# Altium PCB DAC_Sources.PcbDoc (part 7 of 8)
Units mm, origin at the board's own origin, x right, y up, seen from the top; angles counter-clockwise.
Board outline 277 x 137 mm, 8 copper layers (Top Layer, GND_02, SIG_03, PWR_04, PWR_05, SIG_06, GND_07, Bottom Layer), stack 1.669 mm thick; 635 components, 416 nets, 2247 pads, 2216 vias.
Unrouted connection lines stored in the file: 515.
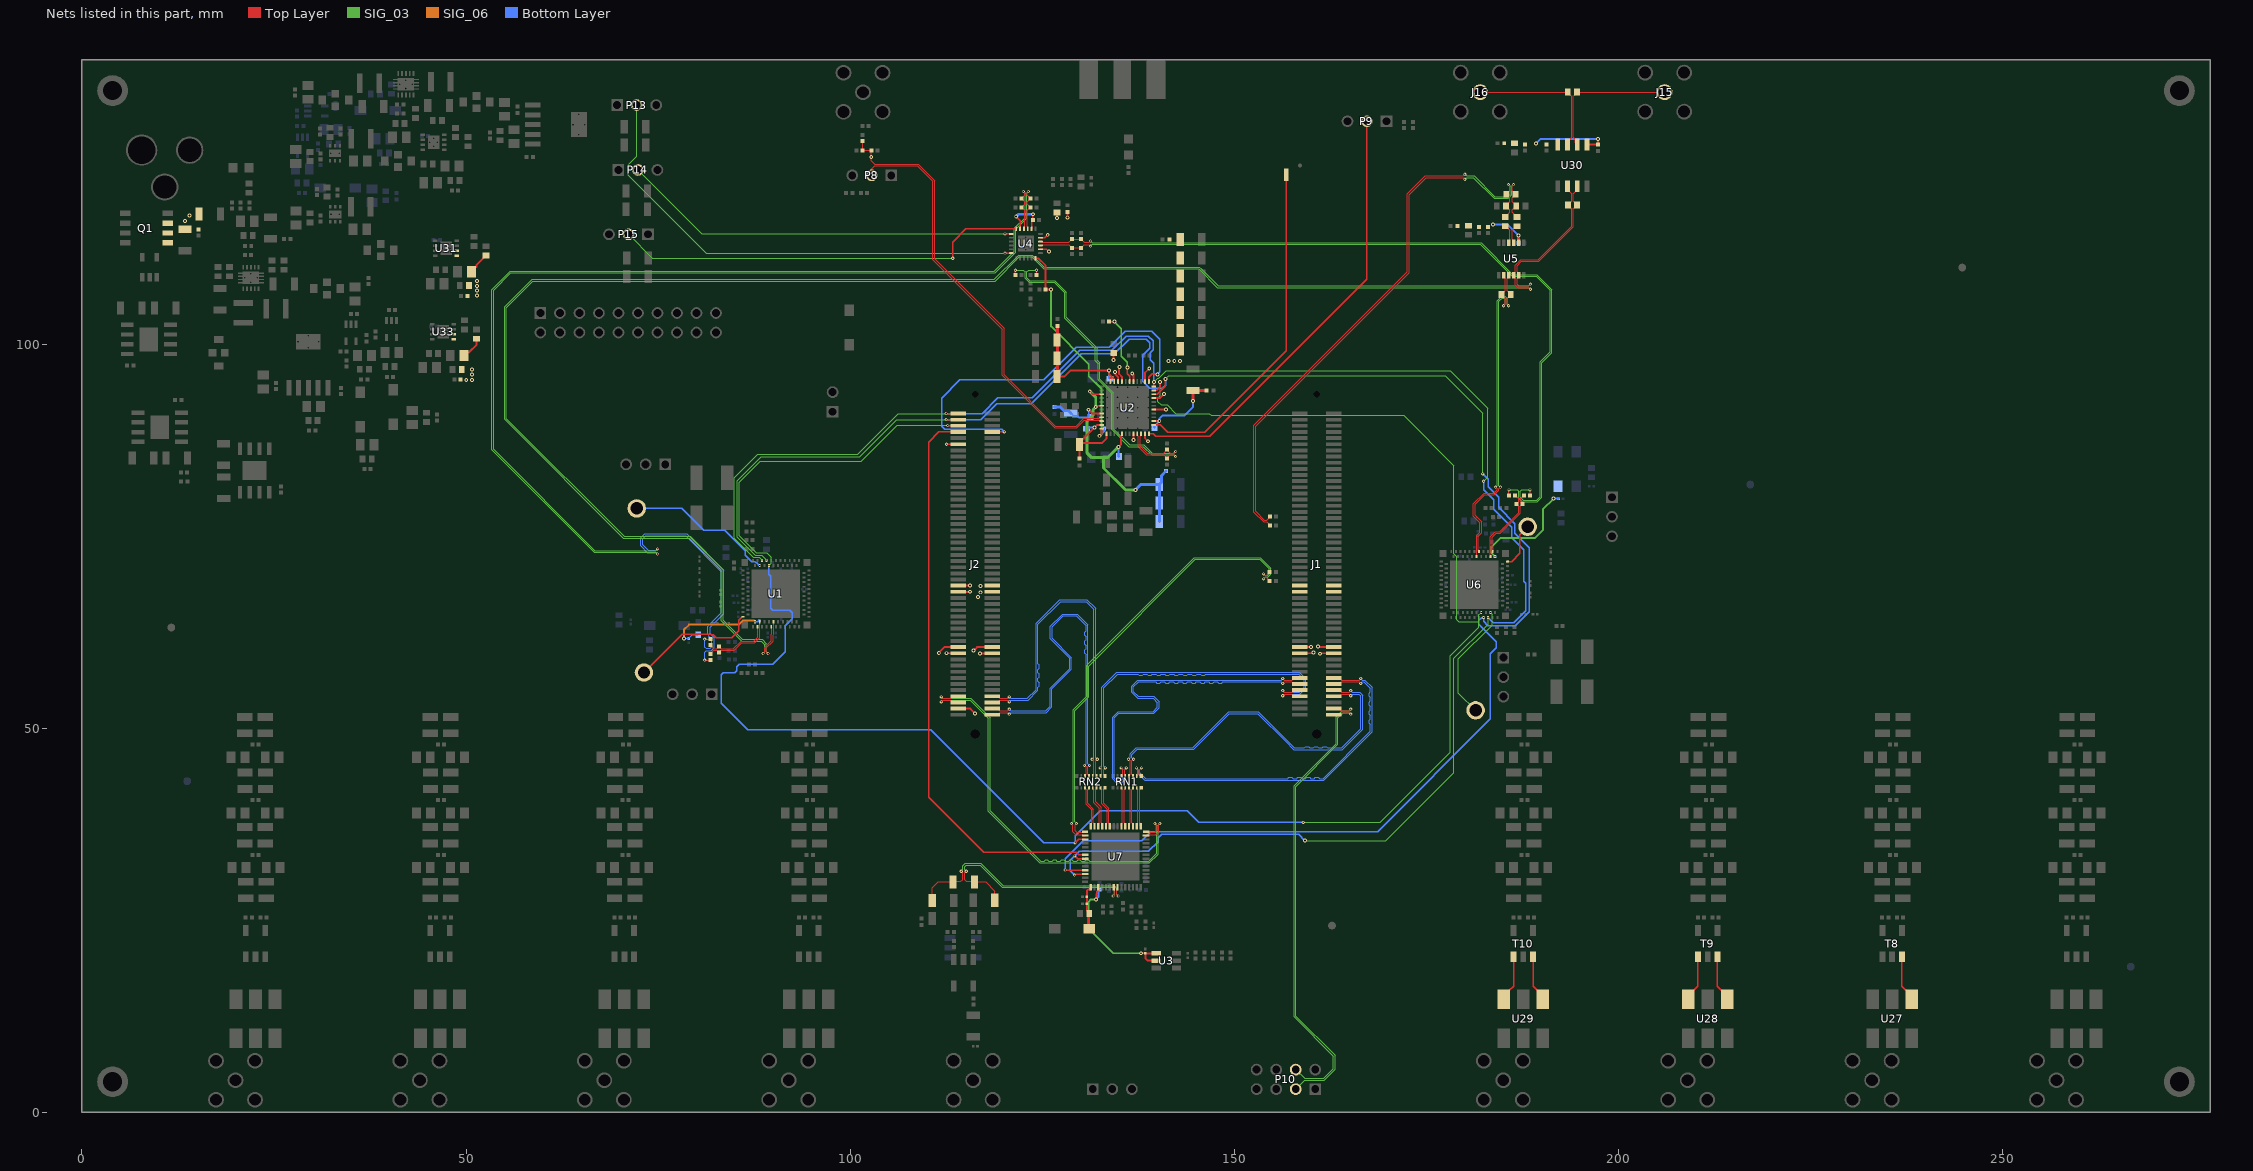
[diagram p13: the nets of this part, all layers, seen from the top]

## Via types
v1: diameter 0.406, hole 0.203, Top Layer to Bottom Layer, tented both sides, 1493 vias
v2: diameter 0.508, hole 0.254, Top Layer to Bottom Layer, tented both sides, 563 vias
v3: diameter 0.254, hole 0.152, Top Layer to Bottom Layer, tented both sides, 60 vias
v4: diameter 0.6, hole 0.3, Top Layer to Bottom Layer, tented top, 58 vias
v5: diameter 0.61, hole 0.305, Top Layer to Bottom Layer, tented top, 25 vias
v6: diameter 0.61, hole 0.305, Top Layer to Bottom Layer, tented both sides, 15 vias
v7: diameter 2, hole 1, Top Layer to Bottom Layer, tented both sides, 2 vias

## Nets (pads, with @x,y where several pads share a name; then routed paths per layer and width w, separated by ;. In a path a pad name is that pad's centre, name@x,y a point inside that pad or via, vN(x,y) a via of type N, cw(c..) or ccw(c..) an arc to the next point about the centre after c; other vN are vias at no path point) (continued)
NetT8_5: T8.5 U27.4 | length 6.1
  Top Layer w0.191: T8.5@236.876,20.256 236.876,16.424 237.393,15.907 237.416,15.907 238.146,15.176 U27.4@238.146,14.732
NetT9_3: T9.3 U28.6 | length 6.1
  Top Layer w0.191: U28.6@209.066,14.732 209.066,15.176 209.796,15.907 209.807,15.907 210.336,16.436 T9.3@210.336,20.256
NetT9_5: T9.5 U28.4 | length 5.6
  Top Layer w0.191: T9.5@212.876,20.256 212.876,16.424 213.393,15.907 213.416,15.907 U28.4@214.146,15.176
NetT10_3: T10.3 U29.6 | length 6.1
  Top Layer w0.191: U29.6@185.066,14.732 185.066,15.176 185.796,15.907 185.807,15.907 186.336,16.436 T10.3@186.336,20.256
NetT10_5: T10.5 U29.4 | length 6.1
  Top Layer w0.191: T10.5@188.876,20.256 188.876,16.424 189.393,15.907 189.416,15.907 190.146,15.176 U29.4@190.146,14.732
NetTP5_1: TP5.1 U1.B29 | length 19.3
  Bottom Layer w0.191: TP5.1@72.22,78.62 78.1,78.62 80.96,75.76 83.69,75.76 86.35,73.1 86.35,72.55 87.215,71.685 87.605,71.685 87.748,71.543 ; 87.812,71.515 88.16,71.168 v3(88.23,71.168)
NetTP6_1: TP6.1 U1.A44 | length 17.1
  Top Layer w0.191: TP6.1@73.16,57.26 78.162,62.262 81.947,62.262 82.064,62.145 82.185,62.145 82.551,61.779 84.58,61.779 85.501,62.7 85.501,64.076 85.943,64.518 U1.A44@86.03,64.518
NetTP7_1: TP7.1 U6.B29 | length 15.5
  SIG_03 w0.152: TP7.1@181.4,52.34 179.16,54.58 179.16,59.02 183.54,63.4 183.54,64.84 v3(183.33,65.05)
NetTP8_1: TP8.1 U6.A44 | length 5.9
  Top Layer w0.191: U6.A44@185.53,71.7 186.08,71.7 187.13,72.75 187.13,75.19 TP8.1@188.17,76.23
OSTR_DAC1_BUF_IN_N: C321.1 R120.1 U1.B2 | length 9.6
  Top Layer w0.127: C321.1@81.79,59.67 82.246,60.126 82.654,60.126 R120.1@82.94,59.84 83.226,60.126 84.899,60.126 85.886,61.113 87.567,61.113 88.23,61.776 U1.B2@88.23,63.868
OSTR_DAC1_BUF_IN_P: C320.1 R120.2 U1.A2 | length 8.6
  Top Layer w0.127: C320.1@81.79,60.81 82.246,60.354 82.654,60.354 R120.2@82.94,60.64 83.226,60.354 84.804,60.354 85.791,61.341 87.472,61.341 88.001,61.871 88.001,63.007 87.991,63.017 87.991,63.157 U1.A2@87.93,63.218
OSTR_DAC1_BUF_N: C321.2 R86.1 R90.2 U4.16 | length 163.2
  Top Layer w0.127: v1(81.08,58.87) C321.2@81.79,58.87 ; v1(122.54,119.86) 122.718,119.682 122.718,119.378 R86.1@122.3,118.96 122.718,118.542 122.718,118.228 R90.2@122.3,117.81 122.718,117.392 122.718,115.268 122.62,115.17 U4.16@122.62,114.99
  SIG_03 w0.102: v1(74.94,72.686) 74.724,72.901 66.685,72.901 53.351,86.235 53.351,107.105 55.747,109.5 118.77,109.5 121.35,112.08 121.35,115.05 122.756,116.456 122.756,119.644 v1(122.54,119.86)
  Bottom Layer w0.127: v1(74.94,72.686) 74.762,72.863 73.604,72.863 72.72,73.747 72.72,74.81 73.255,75.345 78.706,75.345 78.885,75.166 83.378,70.673 83.556,70.495 83.556,66.355 83.545,66.344 83.545,65.976 83.556,65.965 83.556,64.935 81.776,63.154 81.776,62.286 82.214,61.847 82.304,61.757 82.304,60.475 82.214,60.386 81.916,60.088 81.251,60.088 81.08,59.917 v1(81.08,58.87)
OSTR_DAC1_BUF_P: C320.2 R87.1 R89.2 U4.15 | length 160.8
  Top Layer w0.127: v1(81.08,61.61) C320.2@81.79,61.61 ; U4.15@123.12,114.99 123.12,115.17 123.022,115.268 123.022,117.392 R89.2@123.44,117.81 123.022,118.228 123.022,118.542 R87.1@123.44,118.96 123.022,119.378 123.022,119.682 v1(123.2,119.86)
  SIG_03 w0.102: v1(74.94,73.346) 74.724,73.13 66.78,73.13 53.58,86.33 53.58,107.01 55.841,109.271 118.865,109.271 121.579,111.985 121.579,114.955 122.984,116.361 122.984,119.644 v1(123.2,119.86)
  Bottom Layer w0.127: v1(74.94,73.346) 74.762,73.168 73.73,73.168 73.025,73.873 73.025,74.684 73.381,75.04 78.58,75.04 83.251,70.369 83.251,66.481 83.241,66.47 83.241,65.85 83.251,65.839 83.251,65.061 81.471,63.281 81.471,62.159 81.56,62.07 81.999,61.631 81.999,60.601 81.79,60.392 81.251,60.392 81.08,60.563 v1(81.08,61.61)
OSTR_DAC2_BUF_IN_N: C317.1 R83.1 U6.B2 | length 10.2
  Top Layer w0.127: U6.B2@183.33,72.35 183.33,74.954 183.974,75.599 184.525,75.599 186.996,78.069 186.996,78.894 R83.1@186.71,79.18 186.996,79.466 186.996,79.873 186.612,80.256 186.604,80.256 C317.1@186.54,80.32
OSTR_DAC2_BUF_IN_P: C316.1 R83.2 U6.A2 | length 9.6
  Top Layer w0.127: U6.A2@183.63,73 183.569,73.061 183.569,73.201 183.559,73.211 183.559,74.86 184.069,75.37 184.62,75.37 187.224,77.974 187.224,78.894 R83.2@187.51,79.18 187.224,79.466 187.224,79.873 187.608,80.256 187.617,80.256 C316.1@187.68,80.32
OSTR_DAC2_BUF_N: C317.2 R116.1 R119.2 U4.10 | length 103.6
  Top Layer w0.127: U4.10@124.77,113.34 124.95,113.34 125.048,113.242 128.467,113.242 R116.1@128.88,113.655 R119.2@130.04,113.655 130.453,113.242 131.122,113.242 v1(131.3,113.42) ; C317.2@185.74,80.32 v1(185.74,81.03)
  SIG_03 w0.102: v1(131.3,113.42) 131.516,113.204 182.109,113.204 186.263,109.05 189.365,109.05 191.319,107.096 191.319,98.889 190.009,97.579 190.009,80.045 189.435,79.471 187.475,79.471 186.996,79.951 186.996,80.87 186.836,81.03 v1(185.74,81.03)
OSTR_DAC2_BUF_P: C316.2 R117.1 R118.2 U4.9 | length 102.5
  Top Layer w0.127: U4.9@124.77,112.84 124.95,112.84 125.048,112.938 128.467,112.938 R117.1@128.88,112.525 R118.2@130.04,112.525 130.453,112.938 131.122,112.938 v1(131.3,112.76) ; C316.2@188.48,80.32 v1(188.48,81.03)
  SIG_03 w0.102: v1(131.3,112.76) 131.516,112.976 182.014,112.976 186.169,108.821 189.27,108.821 191.09,107.001 191.09,98.983 189.78,97.673 189.78,80.14 189.34,79.7 187.57,79.7 187.224,80.046 187.224,80.87 187.384,81.03 v1(188.48,81.03)
OSTR_DAC_N: C276.1 R113.2 U2.10 | length 45.6
  Top Layer w0.127: C276.1@124.24,109 124.25,109.01 v1(124.25,109.62) ; U2.10@137.87,88.33 137.87,88.15 137.814,88.093 137.809,88.093 137.734,88.019 137.734,86.726 138.651,85.809 140.779,85.809 R113.2@141.23,86.26 141.293,86.197 141.293,86.156 141.64,85.809 142.134,85.809 v1(142.35,86.025)
  SIG_03 w0.102: v1(124.25,109.62) 123.224,109.62 122.994,109.39 122.994,108.639 123.385,108.249 126.645,108.249 128.129,106.765 128.129,103.48 132.127,99.482 132.127,97.926 132.421,97.632 132.488,97.565 132.488,95.445 134.239,93.695 134.239,89.016 136.365,86.89 138.23,86.89 138.297,86.823 139.311,85.809 142.134,85.809 v1(142.35,86.025)
OSTR_DAC_P: C274.1 R112.2 U2.9 | length 46.3
  Top Layer w0.127: C274.1@121.51,109.01 v1(121.51,109.62) ; U2.9@137.37,88.33 137.37,88.15 137.426,88.093 137.431,88.093 137.506,88.019 137.506,86.631 138.556,85.581 140.779,85.581 R112.2@141.23,85.13 141.293,85.193 141.293,85.234 141.64,85.581 142.134,85.581 v1(142.35,85.365)
  SIG_03 w0.102: v1(121.51,109.62) 122.536,109.62 122.766,109.39 122.766,108.544 123.29,108.02 126.55,108.02 127.9,106.67 127.9,103.385 131.898,99.387 131.898,97.832 132.26,97.47 132.26,95.35 132.327,95.283 134.01,93.6 134.01,88.922 136.27,86.661 138.135,86.661 139.216,85.581 141.674,85.581 142.134,85.581 v1(142.35,85.365)
OUT_SYNC_N: J16.1 R104.1 U30.7 | length 18.7
  Top Layer w0.127: J16.1@182,132.797 R104.1@193.4,132.797 193.4,132.722 193.712,132.41 193.787,132.41 193.886,132.311 193.886,126.946 193.365,126.425 U30.7@193.365,125.955
OUT_SYNC_P: J15.1 R104.2 U30.6 | length 18.7
  Top Layer w0.127: U30.6@194.635,125.955 194.394,126.196 194.394,126.666 194.354,126.666 194.114,126.906 194.114,132.311 194.213,132.41 194.288,132.41 194.6,132.722 R104.2@194.6,132.797 J15.1@206,132.797
PCLK_N: J2.96 U7.55 | length 54.2
  Top Layer w0.127: v1(111.853,53.437) 112.069,53.653 113.057,53.653 113.139,53.572 113.139,53.553 113.325,53.367 J2.96@114.075,53.367 ; U7.55@138.5,36.036 138.83,36.036 138.928,36.134 139.755,36.134 140.135,36.514 140.135,37.422 v1(140.313,37.6)
  SIG_03 w0.102: v1(111.853,53.437) 112.069,53.653 115.614,53.653 117.971,51.295 117.971,39.205 124.695,32.481 138.955,32.481 140.097,33.623 140.097,37.384 v1(140.313,37.6)
PCLK_P: J2.94 U7.56 | length 54.2
  Top Layer w0.127: v1(111.853,54.097) 112.069,53.881 113.061,53.881 113.139,53.958 113.139,53.98 113.325,54.167 J2.94@114.075,54.167 ; U7.56@138.5,36.536 138.83,36.536 138.927,36.438 139.628,36.438 139.83,36.64 139.83,37.422 v1(139.652,37.6)
  SIG_03 w0.102: v1(111.853,54.097) 112.069,53.881 115.709,53.881 118.2,51.39 118.2,39.3 124.79,32.71 125.25,32.71 125.43,32.89 125.67,32.89 125.85,32.71 126.31,32.71 126.49,32.89 126.73,32.89 126.91,32.71 127.37,32.71 127.55,32.89 127.79,32.89 127.97,32.71 128.43,32.71 128.61,32.89 128.85,32.89 129.03,32.71 129.49,32.71 129.67,32.89 129.91,32.89 130.09,32.71 130.55,32.71 130.73,32.89 130.97,32.89 131.15,32.71 138.86,32.71 139.868,33.718 139.868,37.384 v1(139.652,37.6)
PD0_N: J1.89 RN1.1 | length 46.9
  Top Layer w0.127: RN1.1@137.888,43.77 137.708,43.95 137.708,44.624 v1(137.924,44.84) ; J1.89@162.925,55.767 163.675,55.767 163.862,55.953 163.862,55.982 163.936,56.056 166.234,56.056 v1(166.45,55.84)
  Bottom Layer w0.127: v1(137.924,44.84) 137.708,44.624 137.708,44.192 138.44,43.46 156.944,43.46 157.105,43.621 157.494,43.621 157.655,43.46 158.094,43.46 158.255,43.621 158.644,43.621 158.805,43.46 159.244,43.46 159.405,43.621 159.794,43.621 159.955,43.46 160.394,43.46 160.555,43.621 160.944,43.621 161.105,43.46 161.544,43.46 167.7,49.616 167.7,50.482 167.54,50.642 167.54,51.022 167.7,51.182 167.7,51.668 167.54,51.828 167.54,52.208 167.7,52.368 167.7,52.854 167.54,53.014 167.54,53.394 167.7,53.554 167.7,54.04 167.54,54.2 167.54,54.58 167.7,54.74 167.7,55.226 166.87,56.056 166.666,56.056 v1(166.45,55.84)
PD0_P: J1.87 RN1.2 | length 47
  Top Layer w0.127: v1(137.264,44.84) 137.48,44.624 137.48,43.95 RN1.2@137.3,43.77 ; J1.87@162.925,56.567 163.675,56.567 163.862,56.38 163.862,56.359 163.936,56.285 166.234,56.285 v1(166.45,56.5)
  Bottom Layer w0.127: v1(137.264,44.84) 137.48,44.624 137.48,44.097 138.345,43.231 161.638,43.231 167.929,49.522 167.929,55.321 166.965,56.285 166.666,56.285 v1(166.45,56.5)
PD0B_N: RN1.16 U7.1 | length 5.2
  Top Layer w0.127: U7.1@137.8,37.236 137.737,37.299 137.737,37.653 137.68,37.71 137.68,42.024 137.888,42.233 RN1.16@137.888,42.27
PD0B_P: RN1.15 U7.2 | length 5.1
  Top Layer w0.127: U7.2@137.3,37.236 137.3,37.566 137.436,37.702 137.436,42.009 137.3,42.145 RN1.15@137.3,42.27
PD1_N: J1.91 RN1.3 | length 47
  Top Layer w0.127: RN1.3@136.8,43.77 136.8,43.895 136.664,44.031 136.664,45.754 v1(136.88,45.97) ; J1.91@162.925,54.967 163.675,54.967 163.862,54.781 163.862,54.756 163.936,54.681 164.931,54.681 v1(165.147,54.897)
  Bottom Layer w0.127: v1(136.88,45.97) 136.664,46.186 136.664,46.58 137.336,47.251 144.701,47.251 144.835,47.385 149.361,51.911 153.045,51.911 156.601,48.355 157.727,47.23 164.043,47.23 164.11,47.297 166.689,49.875 166.689,54.307 166.315,54.681 165.363,54.681 v1(165.147,54.897)
PD1_P: J1.93 RN1.4 | length 47
  Top Layer w0.127: v1(136.22,45.97) 136.436,45.754 136.436,44.031 136.3,43.895 RN1.4@136.3,43.77 ; J1.93@162.925,54.167 163.675,54.167 163.862,54.353 163.862,54.362 163.953,54.453 164.931,54.453 v1(165.147,54.237)
  Bottom Layer w0.127: v1(136.22,45.97) 136.436,46.186 136.436,46.675 137.241,47.48 144.607,47.48 149.267,52.14 153.14,52.14 156.83,48.45 157.821,47.459 159.12,47.459 159.281,47.62 159.67,47.62 159.831,47.459 160.27,47.459 160.431,47.62 160.82,47.62 160.981,47.459 161.42,47.459 161.581,47.62 161.97,47.62 162.131,47.459 163.949,47.459 166.46,49.97 166.46,54.213 166.22,54.453 165.363,54.453 v1(165.147,54.237)
PD1B_N: RN1.14 U7.3 | length 5.1
  Top Layer w0.127: U7.3@136.8,37.236 136.8,37.566 136.664,37.702 136.664,42.009 136.8,42.145 RN1.14@136.8,42.27
PD1B_P: RN1.13 U7.4 | length 5.1
  Top Layer w0.127: U7.4@136.3,37.236 136.3,37.566 136.436,37.702 136.436,42.009 136.3,42.145 RN1.13@136.3,42.27
PD2_N: J1.88 RN1.5 | length 46.9
  Top Layer w0.127: RN1.5@135.8,43.77 135.738,43.832 135.738,44.001 135.708,44.031 135.708,44.624 v1(135.924,44.84) ; v1(156.303,56.497) 156.519,56.281 157.514,56.281 157.589,56.356 157.589,56.38 157.775,56.567 J1.88@158.525,56.567
  Bottom Layer w0.127: v1(135.924,44.84) 135.708,44.624 135.708,43.295 135.355,42.941 134.649,42.941 134.515,43.075 134.305,43.285 134.171,43.419 134.171,51.235 134.171,51.461 134.88,52.17 139.42,52.17 139.988,52.738 139.988,53.349 139.418,53.919 137.398,53.919 136.641,54.675 136.641,55.471 137.451,56.281 156.087,56.281 v1(156.303,56.497)
PD2_P: J1.90 RN1.6 | length 46.9
  Top Layer w0.127: v1(135.264,44.84) 135.48,44.624 135.48,44.031 135.405,43.957 135.361,43.957 135.3,43.895 RN1.6@135.3,43.77 ; v1(156.303,55.837) 156.519,56.053 157.497,56.053 157.589,55.962 157.589,55.953 157.775,55.767 J1.90@158.525,55.767
  Bottom Layer w0.127: v1(135.264,44.84) 135.48,44.624 135.48,43.39 135.26,43.17 134.743,43.17 134.4,43.513 134.4,51.367 134.975,51.941 139.515,51.941 140.216,52.643 140.216,53.444 139.512,54.148 137.492,54.148 136.87,54.77 136.87,55.377 137.546,56.053 139.751,56.053 139.913,55.891 140.301,55.891 140.463,56.053 140.901,56.053 141.063,55.891 141.451,55.891 141.613,56.053 142.051,56.053 142.213,55.891 142.601,55.891 142.763,56.053 143.201,56.053 143.363,55.891 143.751,55.891 143.913,56.053 144.351,56.053 144.513,55.891 144.901,55.891 145.063,56.053 145.501,56.053 145.663,55.891 146.051,55.891 146.213,56.053 146.651,56.053 146.813,55.891 147.201,55.891 147.363,56.053 147.801,56.053 147.963,55.891 148.351,55.891 148.513,56.053 156.087,56.053 v1(156.303,55.837)
PD2B_N: RN1.12 U7.5 | length 5.1
  Top Layer w0.127: U7.5@135.8,37.236 135.8,37.566 135.664,37.702 135.664,42.009 135.8,42.145 RN1.12@135.8,42.27
PD2B_P: RN1.11 U7.6 | length 5.1
  Top Layer w0.127: U7.6@135.3,37.236 135.3,37.566 135.436,37.702 135.436,42.009 135.3,42.145 RN1.11@135.3,42.27
PD3_N: J1.92 RN2.1 | length 46.6
  Top Layer w0.127: RN2.1@133.16,43.77 132.98,43.95 132.98,44.624 v1(133.196,44.84) ; v1(156.303,54.897) 156.519,54.681 157.514,54.681 157.589,54.756 157.589,54.781 157.775,54.967 J1.92@158.525,54.967
  Bottom Layer w0.127: v1(133.196,44.84) 132.98,45.056 132.98,55.247 134.793,57.06 137.45,57.06 137.62,56.89 138.01,56.89 138.18,57.06 138.61,57.06 138.78,56.89 139.17,56.89 139.34,57.06 139.77,57.06 139.94,56.89 140.33,56.89 140.5,57.06 140.93,57.06 141.1,56.89 141.49,56.89 141.66,57.06 142.09,57.06 142.26,56.89 142.65,56.89 142.82,57.06 143.25,57.06 143.42,56.89 143.81,56.89 143.98,57.06 144.41,57.06 144.58,56.89 144.97,56.89 145.14,57.06 145.57,57.06 145.74,56.89 146.13,56.89 146.3,57.06 158.374,57.06 159.091,56.343 159.091,55.321 158.438,54.668 156.517,54.668 156.303,54.882 v1(156.303,54.897)
PD3_P: J1.94 RN2.2 | length 46.6
  Top Layer w0.127: v1(132.536,44.84) 132.752,44.624 132.752,43.95 RN2.2@132.572,43.77 ; v1(156.303,54.237) 156.519,54.453 157.497,54.453 157.589,54.362 157.589,54.353 157.775,54.167 J1.94@158.525,54.167
  Bottom Layer w0.127: v1(132.536,44.84) 132.752,45.056 132.752,55.342 134.699,57.289 145.965,57.289 158.469,57.289 159.32,56.437 159.32,55.227 158.532,54.439 156.517,54.439 156.315,54.237 v1(156.303,54.237)
PD3B_N: RN2.16 U7.9 | length 5.4
  Top Layer w0.127: RN2.16@133.16,42.27 133.011,42.121 133.011,42.04 132.98,42.009 132.98,40.273 133.664,39.589 133.664,37.702 133.8,37.566 U7.9@133.8,37.236
PD3B_P: RN2.15 U7.10 | length 5.5
  Top Layer w0.127: RN2.15@132.572,42.27 132.572,42.145 132.634,42.083 132.677,42.083 132.752,42.009 132.752,40.178 133.436,39.494 133.436,37.702 133.3,37.566 U7.10@133.3,37.236
PD4_N: J2.93 RN2.3 | length 46.7
  Top Layer w0.127: J2.93@118.475,54.167 119.225,54.167 119.412,53.98 119.412,53.958 119.489,53.881 120.481,53.881 v1(120.697,54.097) ; RN2.3@132.072,43.77 132.072,43.895 131.936,44.031 131.936,45.754 v1(132.152,45.97)
  Bottom Layer w0.127: v1(120.697,54.097) 120.913,53.881 123.061,53.881 124.21,55.03 124.21,63.641 124.344,63.775 127.287,66.719 130.815,66.719 131.802,65.731 131.936,65.597 131.936,46.186 v1(132.152,45.97)
PD4_P: J2.95 RN2.4 | length 46.7
  Top Layer w0.127: J2.95@118.475,53.367 119.225,53.367 119.412,53.553 119.412,53.572 119.493,53.653 120.481,53.653 v1(120.697,53.437) ; v1(131.492,45.97) 131.708,45.754 131.708,44.031 131.572,43.895 RN2.4@131.572,43.77
  Bottom Layer w0.127: v1(120.697,53.437) 120.913,53.653 123.156,53.653 124.439,54.935 124.439,55.325 124.609,55.495 124.609,55.925 124.439,56.095 124.439,56.485 124.609,56.655 124.609,57.085 124.439,57.255 124.439,57.645 124.609,57.815 124.609,58.245 124.439,58.415 124.439,63.547 127.382,66.49 130.72,66.49 131.708,65.503 131.708,46.186 v1(131.492,45.97)
PD4B_N: RN2.14 U7.11 | length 5.4
  Top Layer w0.127: RN2.14@132.072,42.27 132.072,42.145 131.936,42.009 131.936,40.434 132.664,39.706 132.664,37.702 132.8,37.566 U7.11@132.8,37.236
PD4B_P: RN2.13 U7.12 | length 5.4
  Top Layer w0.127: RN2.13@131.572,42.27 131.572,42.145 131.708,42.009 131.708,40.339 132.436,39.611 132.436,37.702 132.3,37.566 U7.12@132.3,37.236
PD5_N: J2.97 RN2.5 | length 46.7
  Top Layer w0.127: J2.97@118.475,52.567 119.225,52.567 119.412,52.38 119.412,52.358 119.489,52.281 120.481,52.281 v1(120.697,52.497) ; RN2.5@131.072,43.77 131.072,43.895 130.936,44.031 130.936,44.964 v1(131.152,45.18)
  Bottom Layer w0.127: v1(120.697,52.497) 120.913,52.281 125.441,52.281 126.03,52.87 126.03,55.126 126.03,55.221 128.57,57.761 128.57,59.117 126.061,61.625 126.061,63.285 127.576,64.799 127.643,64.866 129.534,64.866 130.802,63.598 130.936,63.464 130.936,62.367 130.936,45.396 v1(131.152,45.18)
PD5_P: J2.99 RN2.6 | length 46.7
  Top Layer w0.127: J2.99@118.475,51.767 119.225,51.767 119.412,51.953 119.412,51.972 119.493,52.053 120.481,52.053 v1(120.697,51.837) ; v1(130.492,45.18) 130.708,44.964 130.708,44.031 130.572,43.895 RN2.6@130.572,43.77
  Bottom Layer w0.127: v1(120.697,51.837) 120.913,52.053 125.536,52.053 126.259,52.775 126.259,52.87 126.259,55.126 128.799,57.666 128.799,59.211 128.732,59.278 126.29,61.72 126.29,63.19 127.737,64.637 129.439,64.637 130.708,63.369 130.708,62.702 130.538,62.532 130.538,62.102 130.708,61.932 130.708,61.542 130.538,61.372 130.538,60.942 130.708,60.772 130.708,60.382 130.538,60.212 130.538,59.782 130.708,59.612 130.708,45.396 v1(130.492,45.18)
PD5B_N: RN2.12 U7.13 | length 5.4
  Top Layer w0.127: RN2.12@131.072,42.27 131.072,42.145 130.936,42.009 130.936,40.224 131.664,39.496 131.664,37.702 131.8,37.566 U7.13@131.8,37.236
PD5B_P: RN2.11 U7.14 | length 5.4
  Top Layer w0.127: RN2.11@130.572,42.27 130.572,42.145 130.708,42.009 130.708,40.129 130.833,40.004 131.436,39.401 131.436,37.702 131.3,37.566 U7.14@131.3,37.236
PDOR_N: R124.2 U7.15 | length 56.2
  Top Layer w0.127: v1(129.448,37.6) 129.27,37.422 129.27,36.64 129.472,36.438 130.173,36.438 130.27,36.536 U7.15@130.6,36.536 ; v1(153.8,70.097) 154.016,69.881 154.144,69.881 R124.2@154.6,70.337
  SIG_03 w0.102: v1(129.448,37.6) 129.232,37.816 129.232,52.309 131.03,54.107 131.03,58.1 144.9,71.97 153.291,71.97 154.514,70.746 154.514,70.138 154.258,69.881 154.016,69.881 v1(153.8,70.097)
PDOR_P: R125.2 U7.16 | length 57.8
  Top Layer w0.127: v1(128.787,37.6) 128.965,37.422 128.965,36.514 129.345,36.134 130.172,36.134 130.27,36.036 U7.16@130.6,36.036 ; v1(153.8,69.437) 154.016,69.653 154.144,69.653 R125.2@154.6,69.197
  SIG_03 w0.102: v1(128.787,37.6) 129.003,37.816 129.003,52.403 130.801,54.201 130.801,58.195 144.805,72.199 153.386,72.199 154.743,70.841 154.743,70.043 154.353,69.653 154.016,69.653 v1(153.8,69.437)
PLL_AVDD_DAC1: C218.1 C219.1 FB11.2 U1.B1 | length 13.6
  SIG_06 w0.254: v2(78.35,61.69) 78.35,62.81 79.037,63.497 85.526,63.497 86.051,64.022 87.476,64.022 v3(87.63,63.868)
  Bottom Layer w0.152: v2(78.35,61.69) C219.1@79,61.69 79.475,62.165 FB11.2@80.23,62.165
  Bottom Layer w0.254: v3(87.63,63.868) 87.978,63.868 C218.1@88.12,64.01
PLL_AVDD_DAC2: C239.1 C240.1 FB18.2 U6.B1 | length 14.4
  SIG_03 w0.254: v3(183.93,72.35) 183.38,72.9 183.38,73.519 184.621,74.76 189.11,74.76 190.14,75.79 190.14,77.1 190.15,77.11 190.15,78.48 v2(191.56,79.89)
  Bottom Layer w0.254: v2(191.56,79.89) C240.1@192.2,79.89
Power_Down: P9.2 U2.12 | length 57.6
  Top Layer w0.191: U2.12@138.87,88.33 139.42,88.33 139.77,87.98 146.82,87.98 167.26,108.42 P9.2@167.26,129.01
PRI_N: P8.2 U2.46 | length 55
  Top Layer w0.127: P8.2@102.81,121.96 102.81,122.818 103.193,123.201 108.759,123.201 110.771,121.189 110.771,116.206 110.771,110.995 119.801,101.965 119.801,95.935 126.625,89.111 129.487,89.111 130.492,90.116 132.409,90.116 132.483,90.041 132.483,90.036 132.54,89.98 U2.46@132.72,89.98
PRI_P: C23.1 R25.1 R26.2 U2.45 | length 58
  Top Layer w0.127: C23.1@101.61,126.43 101.61,125.22 101.62,125.21 R26.2@102.75,125.21 102.74,125.2 v2(102.74,124.34) 102.74,123.882 103.193,123.429 108.854,123.429 111,121.283 111,116.112 111,111.09 120.03,102.06 120.03,96.03 126.72,89.34 129.393,89.34 130.397,90.344 132.409,90.344 132.483,90.419 132.483,90.423 132.54,90.48 U2.45@132.72,90.48
S0_1: P15.2 U4.18 | length 54.6
  Top Layer w0.191: v1(113.35,111.17) 113.35,113.28 115.06,114.99 U4.18@121.62,114.99
  SIG_03 w0.152: P15.2@71.15,114.29 74.27,111.17 v1(113.35,111.17)
S1_1: P14.2 U4.19 | length 52.1